# Altium PCB Control_v1.1.PcbDoc (part 1 of 2)
Units mil, origin at the board's own origin, x right, y up, seen from the top; angles counter-clockwise.
Board outline 2293.03 x 2083.97 mil, 2 copper layers (Top Layer, Bottom Layer); 102 components, 64 nets, 304 pads, 135 vias.
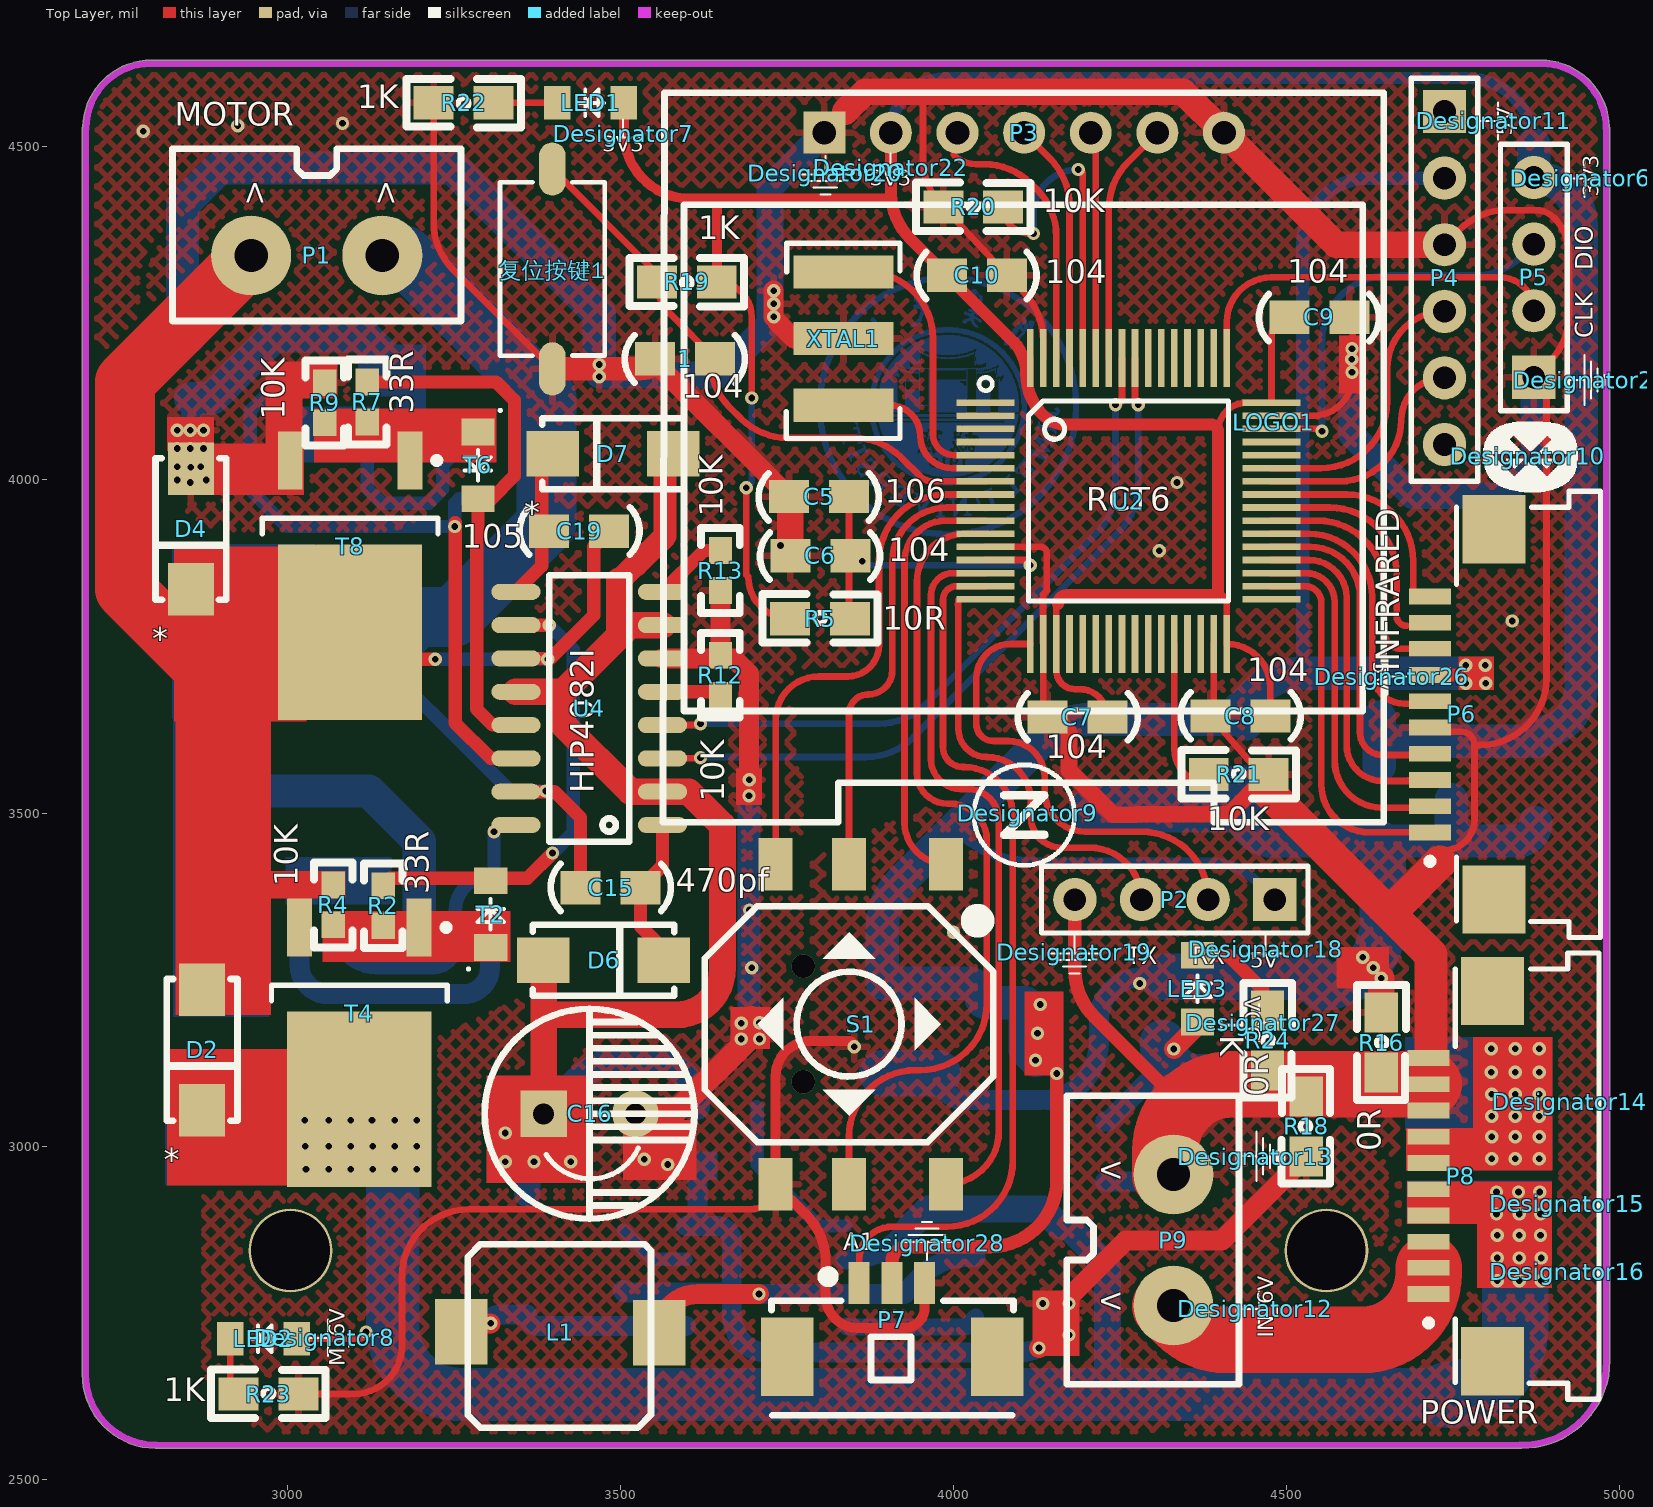
[diagram p0: Top Layer view]
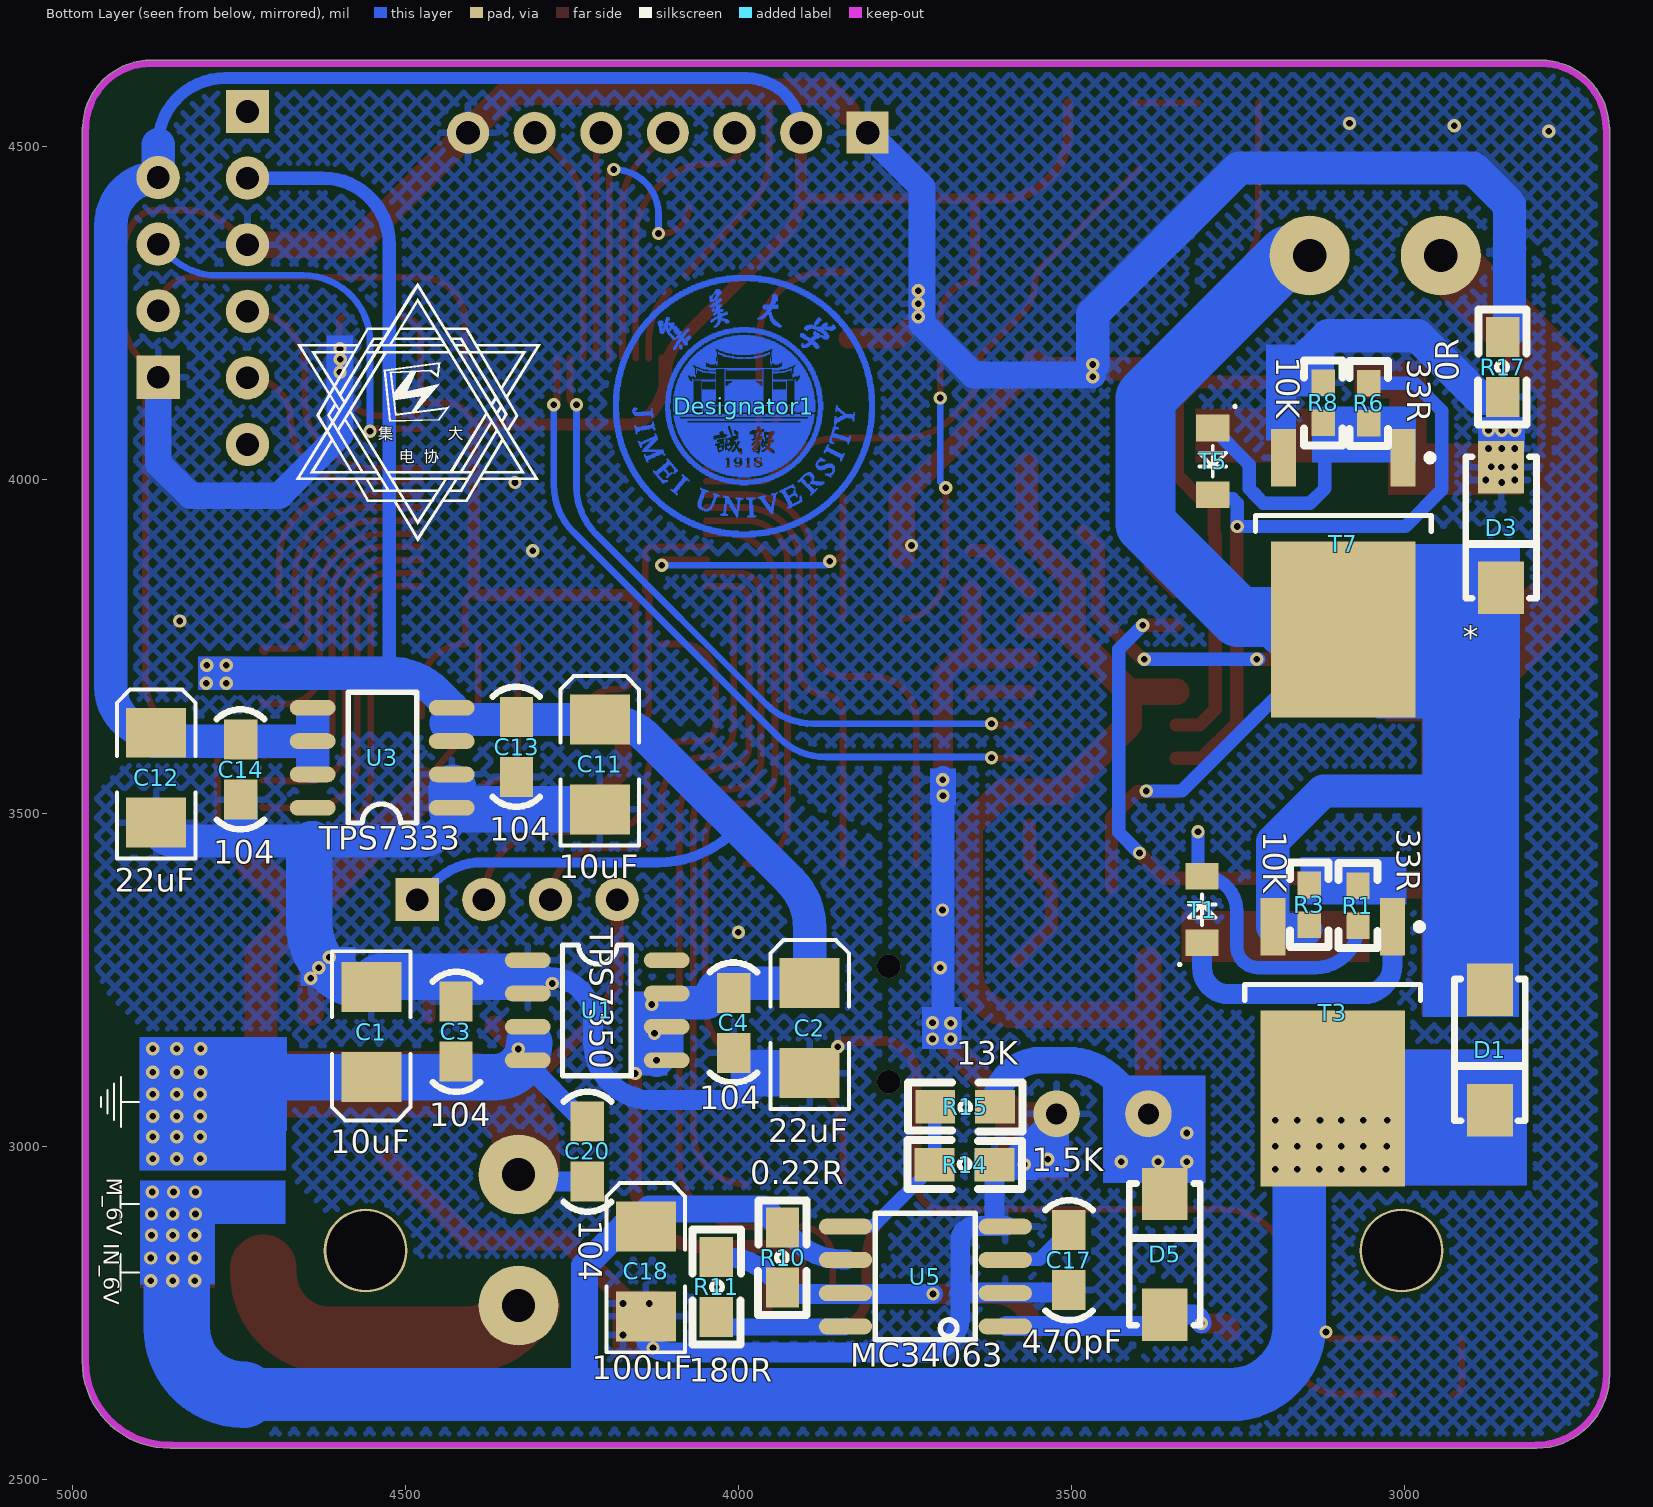
[diagram p1: Bottom Layer view, seen from below]
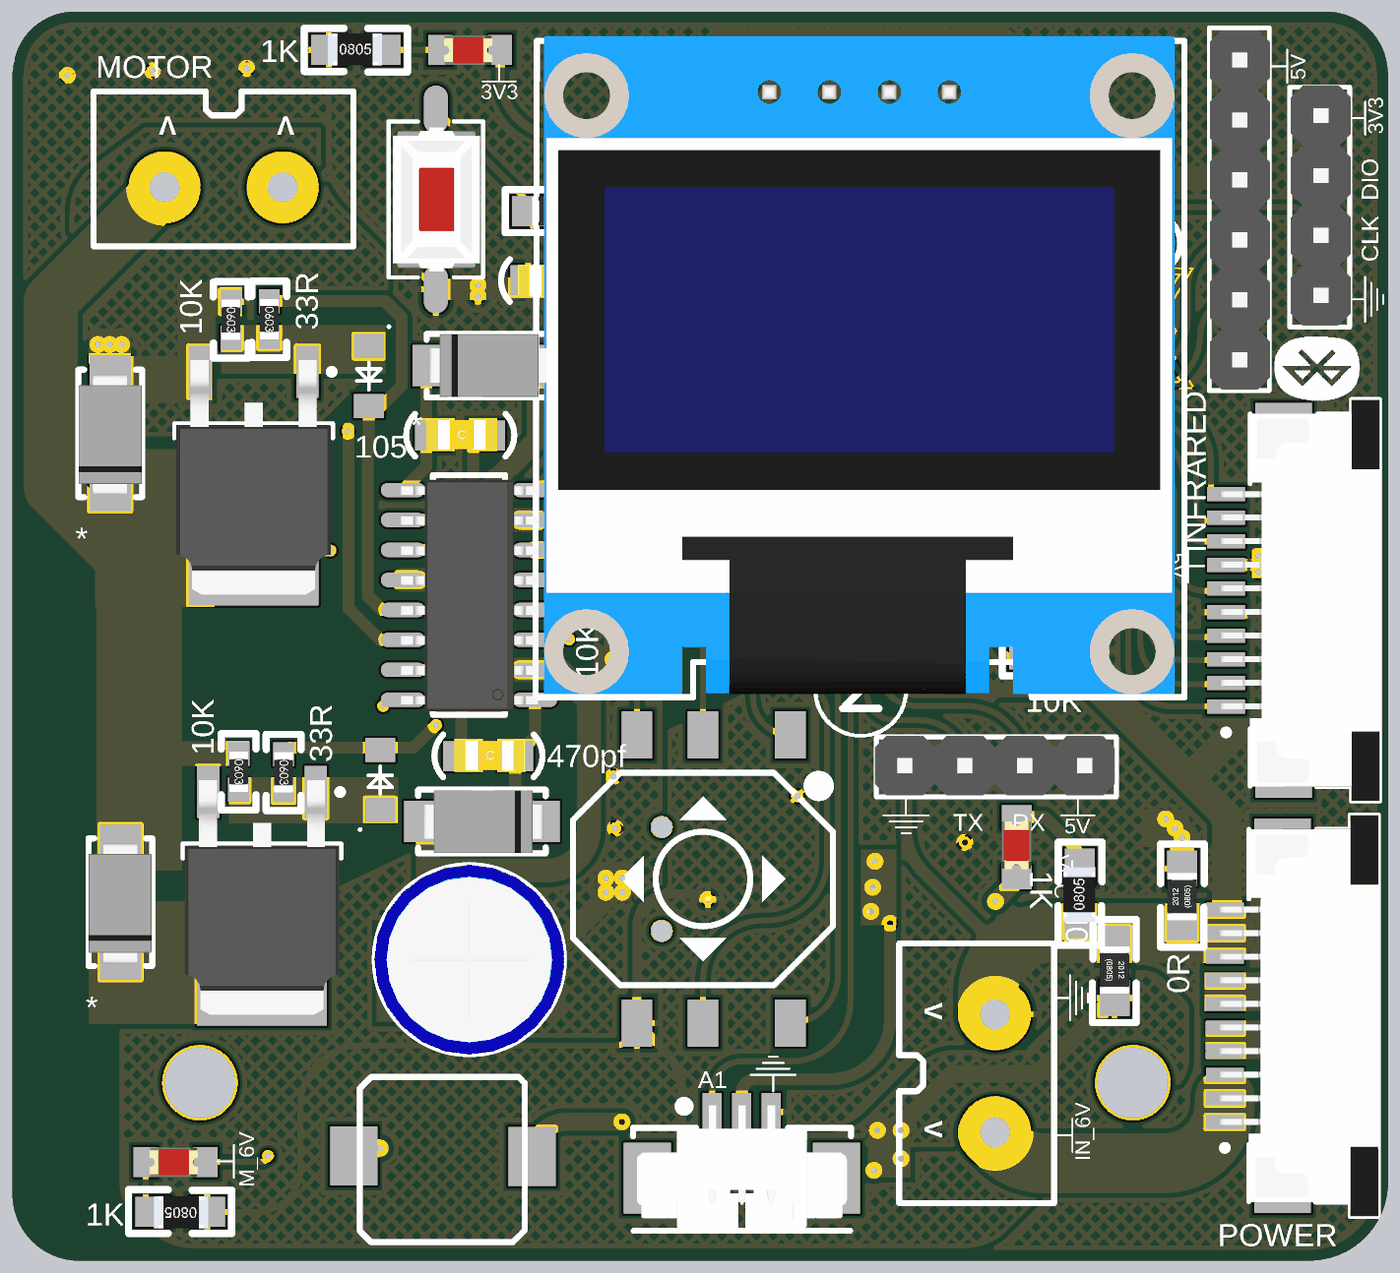
[diagram p3: 3D render of the assembled board from above, using the file's embedded part models]
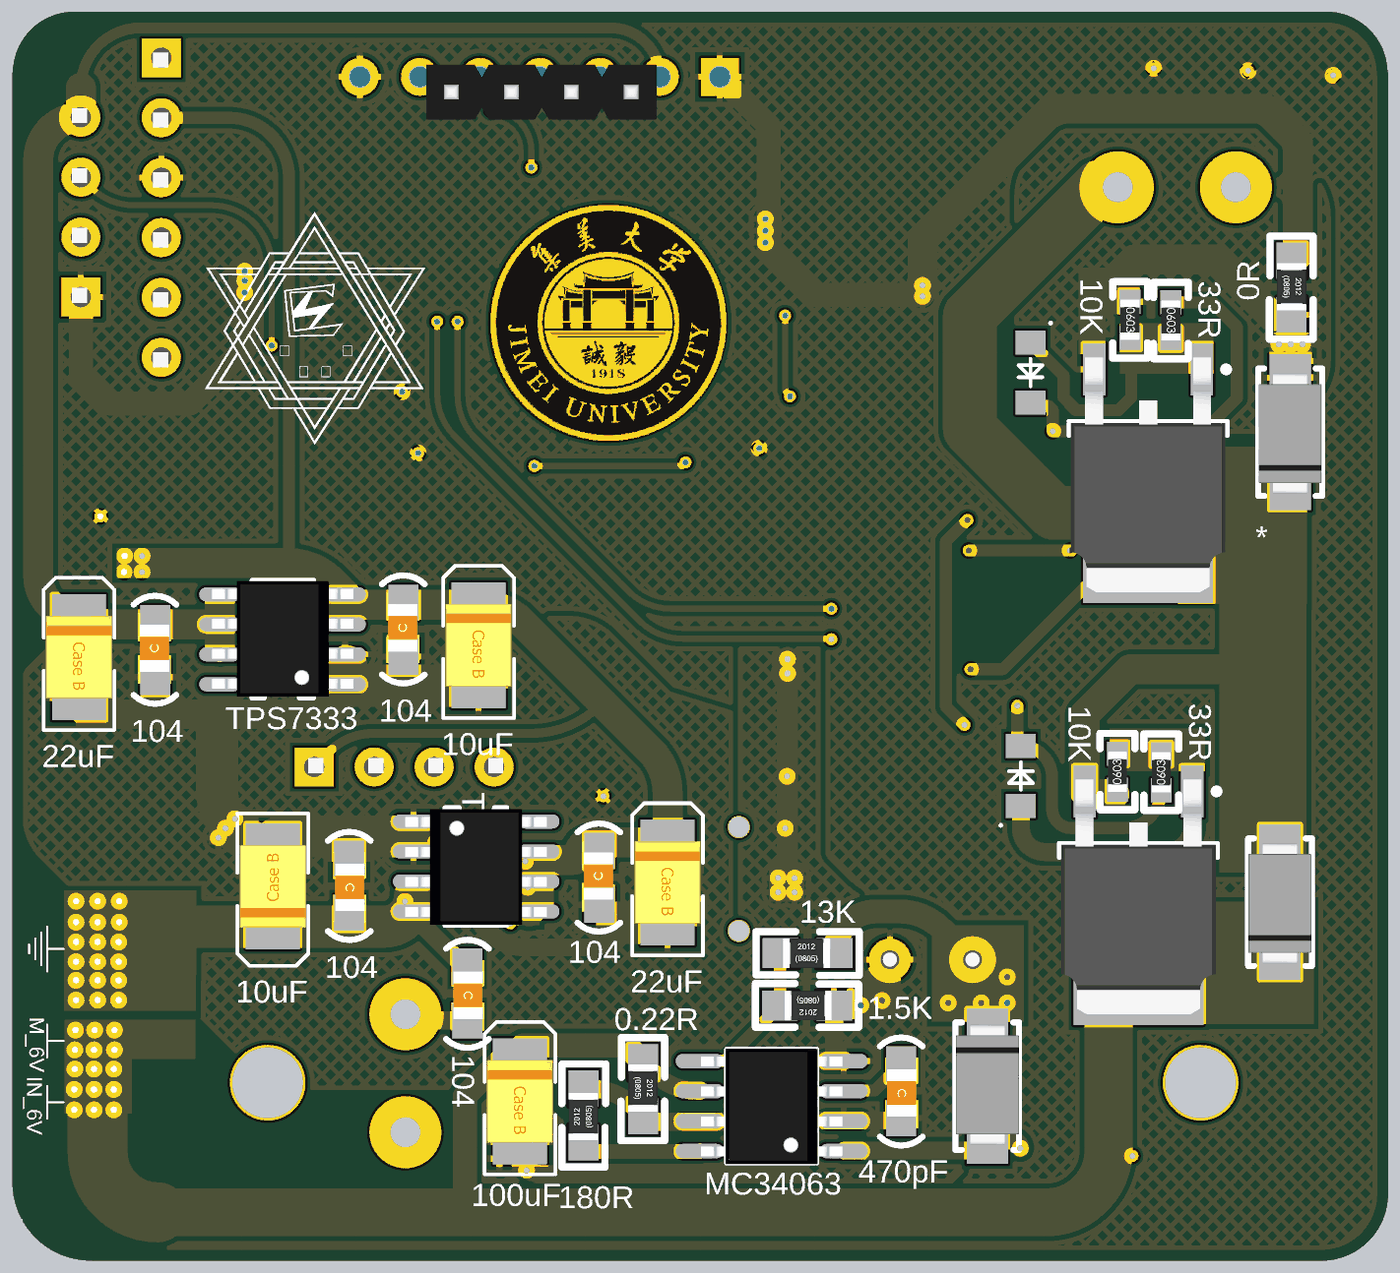
[diagram p4: 3D render of the assembled board from below, using the file's embedded part models]

## Layer stack, top to bottom
Top Solder: solder mask 0.4, Solder Resist, Dk 3.5
Top Layer: signal copper 1.4
Dielectric 1: dielectric 12.6, FR-4, Dk 4.8
Bottom Layer: signal copper 1.4
Bottom Solder: solder mask 0.4, Solder Resist, Dk 3.5

## Board outline
2691.99,2657.48 2691.99,4527.56 cw(c2697,4527.56) 2692.86,4530.39 cw(c2795.28,4527.56) 2795.28,4630.02 4881.89,4630.02 cw(c4881.89,4527.56) 4984.31,4530.13 cw(c4980,4527.56) 4985.02,4527.56 4985.02,2677.17 cw(c4854.33,2677.17) 4852.48,2546.49 cw(c4850.41,2551.06) 4850.41,2546.05 2803.15,2546.05 cw(c2803.15,2551.06) 2801.5,2546.33 cw(c2803.15,2657.48)

## Design rules (kind name [scope] priority, off if disabled: settings)
Clearance [All] p1: gap=8
ComponentClearance [All] p1 off: gap=10 collisioncheckmode=3 verticalgap=10 showdistances=FALSE
PolygonConnect [All] p1: connectstyle=Relief reliefconductorwidth=10 reliefentries=4 polygonreliefangle="90 Angle" airgapwidth=10
RoutingVias [All] p1: holewidth=28 width=50 viastyle="Through Hole" minholewidth=28 minwidth=50 maxholewidth=28 maxwidth=50
SolderMaskExpansion [All] p1: expansion=4
Width [All] p1: maxlimit=100 minlimit=10 preferedwidth=20 minimp=50.000000 maximp=50.000000 favimp=50.000000
29 further rules are at their usual default settings.

## Classes and differential pairs
component class Control: 1 C1 C2 C3 C4 C5 C6 C7 C8 C9 C10 C11 C12 C13 C14 C15 C16 C17 C18 C19 C20 D1 D2 D3 D4 D5 D6 D7 L1 LED1 LED2 LED3 LOGO1 P1 P2 P3 P4 P5 P6 P7 P8 P9 R1 R2 R3 R4 R5 R6 R7 R8 R9 R10 R11 R12 R13 R14 R15 R16 R17 R18 R19 R20 R21 R22 R23 R24 S1 T1 T2 T3 T4 T5 T6 T7 T8 U1 U2 U3 U4 U5 XTAL1 复位按键1

## Components (designator, comment, footprint, x,y, rotation, side; value= is the part's Value field where it differs from the comment)
1 "104" 0805C 3637,4182 r180 top
C1 "10uF" "pol cap(10uF)" 4481,3291 r270 bottom
C2 "22uF" "pol cap(10uF)" 3963,3057 r90 bottom
C3 "104" 0805C 4424,3212 r270 bottom
C4 "104" 0805C 4007,3145 r90 bottom
C5 "106" 0805C 3838,3975 r180 top
C6 "104" 0805C 3840,3886 r180 top
C7 "104" 0805C 4146,3644 r0 top
C8 "104" 0805C 4390.52,3645.52 r0 top
C9 "104" 0805C 4589,4244 r180 top
C10 "104" 0805C 4075,4307.2 r180 top
C11 "10uF" "pol cap(10uF)" 4278,3453 r90 bottom
C12 "22uF" "pol cap(10uF)" 4944,3433 r90 bottom
C13 "104" 0805C 4333,3559 r90 bottom
C14 "104" 0805C 4747,3525 r90 bottom
C15 "470pf" 0805C 3445,3388 r0 top
C16 "Cap Pol SMT G" RB.8 3384,3048 r0 top
C17 "470pF" 0805C 3504,2869 r270 bottom
C18 "100uF" "pol cap(10uF)" 4209,2692 r90 bottom
C19 "105" 0805C 3398,3923 r0 top
C20 "104" 0805C 4227,3032 r270 bottom
D1 "*" 二极管 2872,3140 r270 bottom
D2 "*" 二极管 2872,3140 r270 top
D3 "*" 二极管 2855,3924 r270 bottom
D4 "*" 二极管 2855,3922 r270 top
D5 "*" 二极管 3360,2842 r90 bottom
D6 "*" 二极管 3479,3279 r0 top
D7 "*" 二极管 3484.25,4039.37 r180 top
Designator1 "Comment" LOGO_JMU 3992.13,4110.24 r180 bottom
Designator2 "Comment" LOGO_GND 4944.88,4149.61 r90 top
Designator6 "Comment" LOGO_Vcc 4940.94,4452.76 r90 top
Designator7 "Comment" LOGO_Vcc 3503.94,4519.69 r0 top
Designator8 "Comment" LOGO_Vcc 3055.12,2712.6 r90 top
Designator9 "Comment" LOGO_Zigbee 4110.24,3500 r0 top
Designator10 "Comment" LOGO_Buletooth 4862.2,4035.43 r270 top
Designator11 "Comment" LOGO_Vcc 4811.02,4539.37 r90 top
Designator12 "Comment" LOGO_Vcc 4452.76,2755.91 r90 top
Designator13 "Comment" LOGO_GND 4452.76,2984.25 r90 top
Designator14 "Comment" LOGO_GND 4925.2,3066.93 r270 top
Designator15 "Comment" LOGO_Vcc 4921.26,2913.39 r90 top
Designator16 "Comment" LOGO_Vcc 4921.26,2811.02 r90 top
Designator18 "Comment" LOGO_Vcc 4468.5,3295.28 r0 top
Designator19 "Comment" LOGO_GND 4181.1,3291.34 r0 top
Designator20 "Comment" LOGO_GND 3807.09,4460.63 r0 top
Designator22 "Comment" LOGO_Vcc 3905.51,4468.5 r0 top
Designator26 "Comment" LOGO_Vcc 4657.48,3704.72 r270 top
Designator27 "Comment" LOGO_Vcc 4464.57,3185.04 r270 top
Designator28 "Comment" LOGO_GND 3960.63,2854.33 r180 top
L1 "220uh" 电感（220uh） 3408,2715 r180 top
LED1 "LED3" LED(0805) 3455,4566 r180 top
LED2 "LED3" LED(0805) 2964,2711 r180 top
LED3 "LED2" LED(0805) 4366.14,3236.22 r90 top
LOGO1 "电协LOGO" 电协LOGO 4480.31,4086.61 r180 top
P1 "电机" 接线端子 3264,4232 r180 top
P2 "蓝牙" "Header 4" 4483,3371 r270 top
P3 "OLED" 12864-0.96寸 3646,4498 r0 top
P4 "Header 6" "Header 6" 4736,4554 r0 top
P5 "下载口" "Header 4" 4872,4153 r180 top
P6 "FPC-10" FPC-10 4779,3648 r90 top
P7 "舵机" "MX 1.25-WS-3P" 3908,2683.92 r0 top
P8 "FPC-10" FPC-10 4777,2955 r90 top
P9 "power" 接线端子 4435,3079 r270 top
R1 "33R" 0603R 3071,3333 r90 bottom
R2 "33R" 0603R 3145,3389 r270 top
R3 "10K" 0603R 3144,3334 r90 bottom
R4 "10K" 0603R 3070,3390 r270 top
R5 "10R" 0805R 3840,3793 r180 top
R6 "33R" 0603R 3053,4143 r270 bottom
R7 "33R" 0603R 3121,4145 r270 top
R8 "10K" 0603R 3121,4144 r270 bottom
R9 "10K" 0603R 3057,4144 r270 top
R10 "0.22R" 0805R 3935,2873 r270 bottom
R11 "180R" 0805R 4032,2748 r90 bottom
R12 "10K" 0603R 3651,3735 r270 top
R13 "10K" 0603R 3649,3836 r90 top
R14 "1.5K" 0805R 3620,2973 r0 bottom
R15 "13K" 0805R 3700,3058 r180 bottom
R16 "0R" 0805R 4643,3115 r90 top
R17 "0R" 0805R 2854,4210 r270 bottom
R18 "0R" 0805R 4528,3070 r270 top
R19 "1K" 0805R 3559,4296 r0 top
R20 "10K" 0805R 4070,4411 r180 top
R21 "10K" 0805R 4468.5,3559.06 r180 top
R22 "1K" 0805R 3224,4565 r0 top
R23 "1K" 0805R 3012,2629 r180 top
R24 "1K" 0805R 4472.44,3118.11 r90 top
S1 "按键" 5轴按键 3840,3182 r270 top
T1 "LED" 0805LED(BLUE) 3306,3310 r90 bottom
T2 "LED" 0805LED(BLUE) 3303.15,3303.15 r90 top
T3 "IRLR7843" IRLR7843(MOS) 3088,3111 r270 bottom
T4 "IRLR7843" IRLR7843(MOS) 3128,3110 r270 top
T5 "LED" 0805LED(BLUE) 3286,4073.05 r270 bottom
T6 "LED" 0805LED(BLUE) 3288,4067 r270 top
T7 "IRLR7843" IRLR7843(MOS) 3072,3815 r270 bottom
T8 "IRLR7843" IRLR7843(MOS) 3114,3811 r270 top
U1 "TPS7350" SOIC-8 4212,3204 r180 bottom
U2 "RCT6" LQFP-64 4250,3954 r0 top
U3 "TPS7333" SOIC-8 4534.81,3582.94 r0 bottom
U4 "HIP4082I" HIP4082I 3453,3642 r180 top
U5 "MC34063" MA34063 3724.41,2799.21 r0 bottom
XTAL1 "" 三脚贴片8M晶振 3837,4112 r180 top
复位按键1 "两脚贴片" 贴片按键 3395,4461 r270 top
